# KiCad board Eclipse65.kicad_pcb (continued)
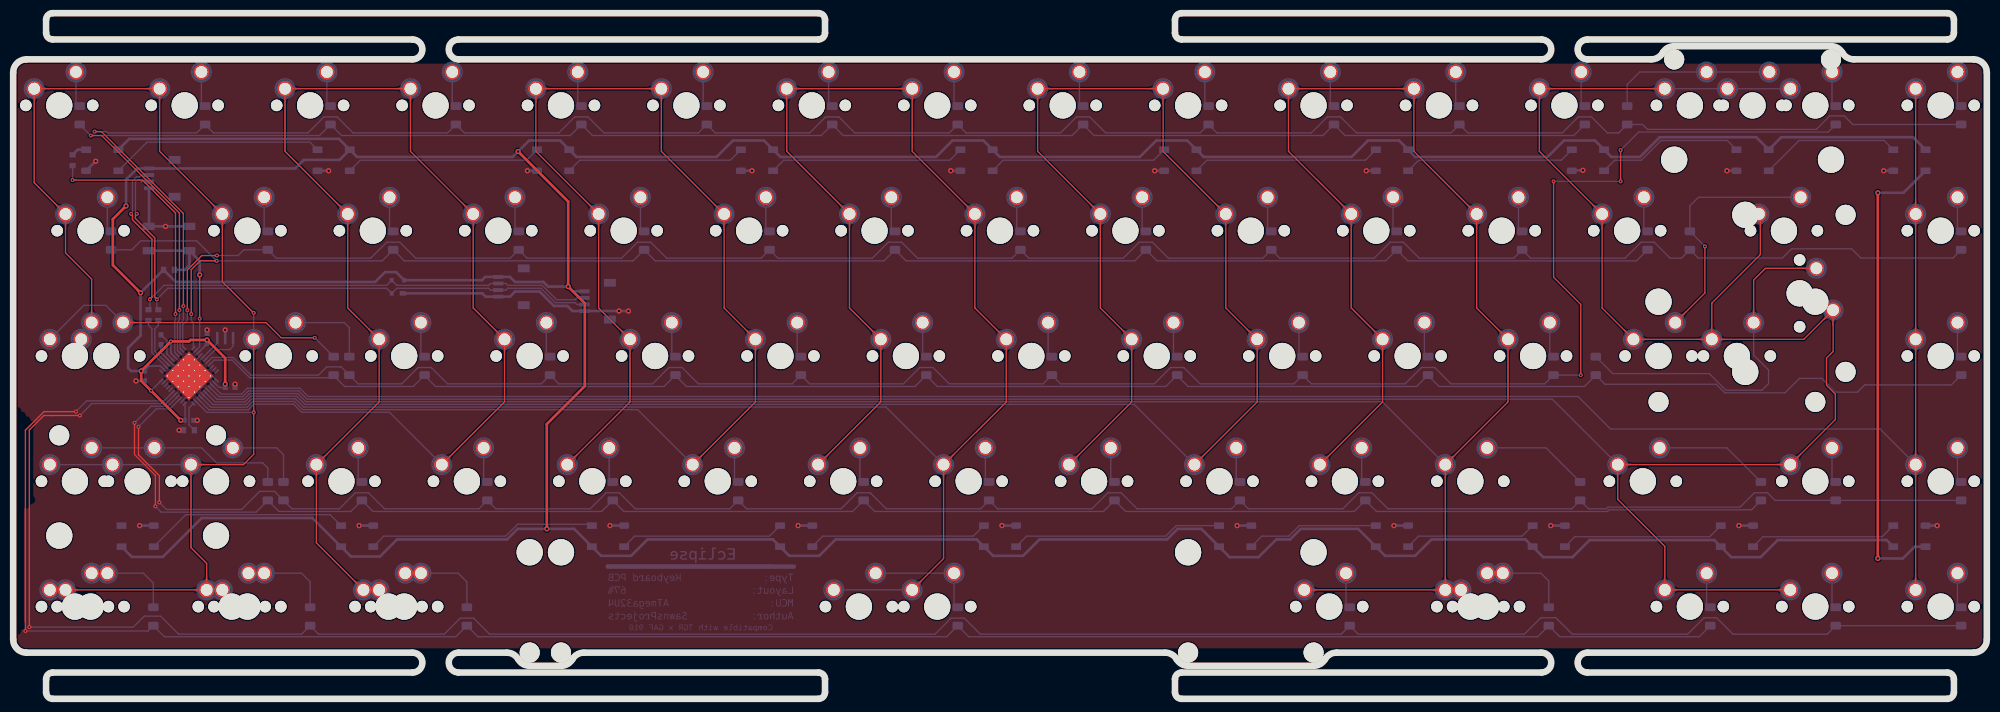
[diagram p0: board, top side]
## Copper pours and planes (outline as drawn; the poured copper is in the pictures) (continued)
C4 on Top: 181.02,37.38 180.95,37.3 180.88,37.24 180.81,37.19 180.74,37.14 180.68,37.09 180.61,37.05 180.55,37.02 180.49,36.99 180.43,36.97 180.37,36.95 180.31,36.93 180.25,36.92 180.19,36.91 180.13,36.9 179.56,36.87 179.49,36.86 179.41,36.85 179.34,36.84 179.26,36.82 179.18,36.8 179.1,36.78 179.01,36.75 178.98,35.19 180.54,35.22 180.56,35.31 180.59,35.39 180.61,35.47 180.62,35.55 180.64,35.63 180.65,35.7 180.66,35.77 180.69,36.34 180.7,36.4 180.71,36.46 180.72,36.52 180.74,36.58 180.76,36.64 180.78,36.7 180.81,36.76 180.84,36.82 180.88,36.89 180.92,36.95 180.97,37.02 181.03,37.09 181.09,37.16 181.16,37.23
C4 on Top: 169.98,52.27 169.98,52.38 169.98,52.47 169.99,52.56 170.01,52.64 170.02,52.72 170.04,52.79 170.06,52.86 170.09,52.92 170.11,52.98 170.14,53.04 170.17,53.09 170.2,53.14 170.24,53.19 170.28,53.24 170.65,53.67 170.7,53.72 170.74,53.78 170.79,53.85 170.83,53.91 170.87,53.98 170.92,54.06 170.96,54.14 169.88,55.26 168.8,54.14 168.84,54.06 168.88,53.98 168.92,53.91 168.97,53.85 169.01,53.78 169.06,53.72 169.1,53.67 169.48,53.24 169.52,53.19 169.55,53.14 169.58,53.09 169.61,53.04 169.64,52.98 169.67,52.92 169.69,52.86 169.71,52.79 169.73,52.72 169.75,52.64 169.76,52.56 169.77,52.47 169.78,52.38 169.78,52.27
C4 on Top: 161.97,37.38 161.9,37.3 161.83,37.24 161.76,37.19 161.69,37.14 161.63,37.09 161.56,37.05 161.5,37.02 161.44,36.99 161.38,36.97 161.32,36.95 161.26,36.93 161.2,36.92 161.14,36.91 161.08,36.9 160.51,36.87 160.44,36.86 160.36,36.85 160.29,36.84 160.21,36.82 160.13,36.8 160.05,36.78 159.96,36.75 159.93,35.19 161.49,35.22 161.51,35.31 161.54,35.39 161.56,35.47 161.57,35.55 161.59,35.63 161.6,35.7 161.61,35.77 161.64,36.34 161.65,36.4 161.66,36.46 161.67,36.52 161.69,36.58 161.71,36.64 161.73,36.7 161.76,36.76 161.79,36.82 161.83,36.89 161.87,36.95 161.92,37.02 161.98,37.09 162.04,37.16 162.11,37.23
C4 on Top: 155.69,90.37 155.69,90.48 155.7,90.57 155.71,90.66 155.72,90.74 155.73,90.82 155.75,90.89 155.77,90.96 155.8,91.02 155.82,91.08 155.85,91.14 155.88,91.19 155.92,91.24 155.95,91.29 155.99,91.34 156.37,91.77 156.41,91.82 156.46,91.88 156.5,91.95 156.54,92.01 156.59,92.08 156.63,92.16 156.67,92.24 155.59,93.36 154.51,92.24 154.55,92.16 154.59,92.08 154.64,92.01 154.68,91.95 154.72,91.88 154.77,91.82 154.81,91.77 155.19,91.34 155.23,91.29 155.26,91.24 155.3,91.19 155.33,91.14 155.36,91.08 155.38,91.02 155.41,90.96 155.43,90.89 155.45,90.82 155.46,90.74 155.47,90.66 155.48,90.57 155.49,90.48 155.49,90.37
C4 on Top: 163.35,75.33 163.43,75.26 163.49,75.19 163.54,75.12 163.59,75.05 163.64,74.99 163.68,74.92 163.71,74.86 163.74,74.8 163.76,74.74 163.78,74.68 163.8,74.62 163.81,74.56 163.82,74.5 163.83,74.44 163.86,73.87 163.87,73.8 163.88,73.73 163.89,73.65 163.91,73.57 163.93,73.49 163.95,73.41 163.98,73.32 165.54,73.29 165.51,74.85 165.42,74.88 165.34,74.9 165.26,74.92 165.18,74.94 165.1,74.95 165.03,74.96 164.96,74.97 164.39,75 164.33,75.01 164.27,75.02 164.21,75.03 164.15,75.05 164.09,75.07 164.03,75.09 163.97,75.12 163.91,75.15 163.84,75.19 163.78,75.24 163.71,75.29 163.64,75.34 163.57,75.4 163.5,75.48
C4 on Top: 174.74,90.37 174.74,90.48 174.75,90.57 174.76,90.66 174.77,90.74 174.78,90.82 174.8,90.89 174.82,90.96 174.85,91.02 174.87,91.08 174.9,91.14 174.93,91.19 174.97,91.24 175,91.29 175.04,91.34 175.42,91.77 175.46,91.82 175.51,91.88 175.55,91.95 175.59,92.01 175.64,92.08 175.68,92.16 175.72,92.24 174.64,93.36 173.56,92.24 173.6,92.16 173.64,92.08 173.69,92.01 173.73,91.95 173.77,91.88 173.82,91.82 173.86,91.77 174.24,91.34 174.28,91.29 174.31,91.24 174.35,91.19 174.38,91.14 174.41,91.08 174.43,91.02 174.46,90.96 174.48,90.89 174.5,90.82 174.51,90.74 174.52,90.66 174.53,90.57 174.54,90.48 174.54,90.37
C4 on Top: 182.4,75.33 182.48,75.26 182.54,75.19 182.59,75.12 182.64,75.05 182.69,74.99 182.73,74.92 182.76,74.86 182.79,74.8 182.81,74.74 182.83,74.68 182.85,74.62 182.86,74.56 182.87,74.5 182.88,74.44 182.91,73.87 182.92,73.8 182.93,73.73 182.94,73.65 182.96,73.57 182.98,73.49 183,73.41 183.03,73.32 184.59,73.29 184.56,74.85 184.47,74.88 184.39,74.9 184.31,74.92 184.23,74.94 184.15,74.95 184.08,74.96 184.01,74.97 183.44,75 183.38,75.01 183.32,75.02 183.26,75.03 183.2,75.05 183.14,75.07 183.08,75.09 183.02,75.12 182.96,75.15 182.89,75.19 182.83,75.24 182.76,75.29 182.69,75.34 182.62,75.4 182.55,75.48
C4 on Top: 184.27,71.32 184.27,71.43 184.27,71.52 184.28,71.61 184.29,71.69 184.31,71.77 184.33,71.84 184.35,71.91 184.37,71.97 184.4,72.03 184.43,72.09 184.46,72.14 184.49,72.19 184.53,72.24 184.56,72.29 184.94,72.72 184.99,72.77 185.03,72.83 185.07,72.9 185.12,72.96 185.16,73.03 185.2,73.11 185.25,73.19 184.17,74.31 183.09,73.19 183.13,73.11 183.17,73.03 183.21,72.96 183.26,72.9 183.3,72.83 183.34,72.77 183.39,72.72 183.77,72.29 183.8,72.24 183.84,72.19 183.87,72.14 183.9,72.09 183.93,72.03 183.96,71.97 183.98,71.91 184,71.84 184.02,71.77 184.04,71.69 184.05,71.61 184.06,71.52 184.06,71.43 184.07,71.32
C4 on Top: 187.17,56.28 187.24,56.21 187.3,56.14 187.36,56.07 187.41,56 187.45,55.94 187.49,55.87 187.52,55.81 187.55,55.75 187.57,55.69 187.59,55.63 187.61,55.57 187.62,55.51 187.63,55.45 187.64,55.39 187.67,54.82 187.68,54.75 187.69,54.68 187.71,54.6 187.72,54.52 187.74,54.44 187.77,54.36 187.79,54.27 189.35,54.24 189.32,55.8 189.23,55.83 189.15,55.85 189.07,55.87 188.99,55.89 188.92,55.9 188.84,55.91 188.77,55.92 188.2,55.95 188.14,55.96 188.08,55.97 188.02,55.98 187.96,56 187.9,56.02 187.84,56.04 187.78,56.07 187.72,56.1 187.65,56.14 187.59,56.19 187.52,56.24 187.45,56.29 187.38,56.35 187.31,56.43
C4 on Top: 157.98,92.86 157.88,92.87 157.78,92.87 157.69,92.88 157.61,92.89 157.53,92.91 157.46,92.93 157.39,92.95 157.33,92.97 157.27,93 157.22,93.03 157.16,93.06 157.11,93.09 157.06,93.13 157.01,93.16 156.59,93.54 156.53,93.59 156.47,93.63 156.41,93.67 156.34,93.72 156.27,93.76 156.19,93.8 156.11,93.84 154.99,92.76 156.11,91.68 156.19,91.73 156.27,91.77 156.34,91.81 156.41,91.86 156.47,91.9 156.53,91.94 156.59,91.99 157.01,92.37 157.06,92.4 157.11,92.44 157.16,92.47 157.22,92.5 157.27,92.53 157.33,92.56 157.39,92.58 157.46,92.6 157.53,92.62 157.61,92.64 157.69,92.65 157.78,92.66 157.88,92.66 157.98,92.66
C4 on Top: 172.25,92.66 172.35,92.66 172.45,92.66 172.54,92.65 172.62,92.64 172.7,92.62 172.77,92.6 172.84,92.58 172.9,92.56 172.96,92.53 173.01,92.5 173.07,92.47 173.12,92.44 173.17,92.4 173.22,92.37 173.64,91.99 173.7,91.94 173.76,91.9 173.82,91.86 173.89,91.81 173.96,91.77 174.04,91.73 174.12,91.68 175.24,92.76 174.12,93.84 174.04,93.8 173.96,93.76 173.89,93.72 173.82,93.67 173.76,93.63 173.7,93.59 173.64,93.54 173.22,93.16 173.17,93.13 173.12,93.09 173.07,93.06 173.01,93.03 172.96,93 172.9,92.97 172.84,92.95 172.77,92.93 172.7,92.91 172.62,92.89 172.54,92.88 172.45,92.87 172.35,92.87 172.25,92.86
C4 on Bottom: 177.64,37.23 177.71,37.16 177.78,37.09 177.83,37.02 177.88,36.95 177.93,36.89 177.96,36.82 178,36.76 178.02,36.7 178.05,36.64 178.07,36.58 178.08,36.52 178.1,36.46 178.11,36.4 178.11,36.34 178.15,35.77 178.16,35.7 178.17,35.63 178.18,35.55 178.2,35.47 178.22,35.39 178.24,35.31 178.27,35.22 179.83,35.19 179.8,36.75 179.71,36.78 179.63,36.8 179.54,36.82 179.47,36.84 179.39,36.85 179.32,36.86 179.25,36.87 178.68,36.9 178.62,36.91 178.56,36.92 178.5,36.93 178.44,36.95 178.38,36.97 178.32,36.99 178.26,37.02 178.19,37.05 178.13,37.09 178.06,37.14 178,37.19 177.93,37.24 177.86,37.3 177.78,37.38
C4 on Bottom: 177.08,37.8 177.17,37.7 177.26,37.61 177.33,37.51 177.4,37.42 177.46,37.33 177.51,37.25 177.55,37.16 177.58,37.08 177.61,37 177.64,36.92 177.66,36.84 177.68,36.76 177.69,36.68 177.7,36.6 177.7,36.52 177.71,36.44 177.72,36.01 177.73,35.92 177.73,35.83 177.74,35.73 177.76,35.64 177.77,35.53 177.79,35.43 177.82,35.32 177.85,35.21 177.89,35.09 179.97,35.05 179.93,37.13 179.81,37.16 179.7,37.2 179.59,37.22 179.48,37.24 179.38,37.26 179.28,37.27 179.19,37.28 179.1,37.29 179,37.3 178.58,37.31 178.5,37.31 178.42,37.32 178.34,37.33 178.26,37.34 178.18,37.36 178.1,37.38 178.02,37.4 177.94,37.43 177.85,37.47 177.77,37.51 177.68,37.56 177.59,37.62 177.5,37.69 177.41,37.76 177.32,37.85 177.22,37.94
C5 on Top: 227.13,52.27 227.13,52.38 227.13,52.47 227.14,52.56 227.16,52.64 227.17,52.72 227.19,52.79 227.21,52.86 227.24,52.92 227.26,52.98 227.29,53.04 227.32,53.09 227.35,53.14 227.39,53.19 227.43,53.24 227.8,53.67 227.85,53.72 227.89,53.78 227.94,53.85 227.98,53.91 228.02,53.98 228.07,54.06 228.11,54.14 227.03,55.26 225.95,54.14 225.99,54.06 226.03,53.98 226.07,53.91 226.12,53.85 226.16,53.78 226.21,53.72 226.25,53.67 226.63,53.24 226.67,53.19 226.7,53.14 226.73,53.09 226.76,53.04 226.79,52.98 226.82,52.92 226.84,52.86 226.86,52.79 226.88,52.72 226.9,52.64 226.91,52.56 226.92,52.47 226.93,52.38 226.93,52.27
C5 on Top: 219.12,37.38 219.05,37.3 218.98,37.24 218.91,37.19 218.84,37.14 218.78,37.09 218.71,37.05 218.65,37.02 218.59,36.99 218.53,36.97 218.47,36.95 218.41,36.93 218.35,36.92 218.29,36.91 218.23,36.9 217.66,36.87 217.59,36.86 217.51,36.85 217.44,36.84 217.36,36.82 217.28,36.8 217.2,36.78 217.11,36.75 217.08,35.19 218.64,35.22 218.66,35.31 218.69,35.39 218.71,35.47 218.72,35.55 218.74,35.63 218.75,35.7 218.76,35.77 218.79,36.34 218.8,36.4 218.81,36.46 218.82,36.52 218.84,36.58 218.86,36.64 218.88,36.7 218.91,36.76 218.94,36.82 218.98,36.89 219.02,36.95 219.07,37.02 219.13,37.09 219.19,37.16 219.26,37.23
C5 on Top: 217.6,33.22 217.6,33.33 217.61,33.42 217.62,33.51 217.63,33.59 217.65,33.67 217.67,33.74 217.69,33.81 217.71,33.87 217.74,33.93 217.77,33.99 217.8,34.04 217.83,34.09 217.86,34.14 217.9,34.19 218.28,34.62 218.32,34.67 218.37,34.73 218.41,34.8 218.46,34.86 218.5,34.93 218.54,35.01 218.58,35.09 217.5,36.21 216.42,35.09 216.46,35.01 216.51,34.93 216.55,34.86 216.59,34.8 216.64,34.73 216.68,34.67 216.73,34.62 217.1,34.19 217.14,34.14 217.18,34.09 217.21,34.04 217.24,33.99 217.27,33.93 217.29,33.87 217.32,33.81 217.34,33.74 217.36,33.67 217.37,33.59 217.39,33.51 217.4,33.42 217.4,33.33 217.4,33.22
C5 on Top: 217.4,18.95 217.4,18.85 217.4,18.76 217.39,18.67 217.37,18.59 217.36,18.51 217.34,18.44 217.32,18.37 217.29,18.31 217.27,18.25 217.24,18.19 217.21,18.14 217.18,18.09 217.14,18.04 217.1,17.99 216.73,17.56 216.68,17.51 216.64,17.45 216.59,17.38 216.55,17.32 216.51,17.25 216.46,17.17 216.42,17.09 217.5,15.96 218.58,17.09 218.54,17.17 218.5,17.25 218.46,17.32 218.41,17.38 218.37,17.45 218.32,17.51 218.28,17.56 217.9,17.99 217.86,18.04 217.83,18.09 217.8,18.14 217.77,18.19 217.74,18.25 217.71,18.31 217.69,18.37 217.67,18.44 217.65,18.51 217.63,18.59 217.62,18.67 217.61,18.76 217.6,18.85 217.6,18.95
C5 on Top: 198.46,16.66 198.36,16.67 198.26,16.67 198.18,16.68 198.09,16.69 198.02,16.71 197.94,16.73 197.88,16.75 197.81,16.77 197.75,16.8 197.7,16.83 197.64,16.86 197.59,16.89 197.54,16.93 197.5,16.96 197.07,17.34 197.01,17.39 196.95,17.43 196.89,17.47 196.82,17.52 196.75,17.56 196.68,17.6 196.59,17.64 195.47,16.56 196.59,15.48 196.68,15.53 196.75,15.57 196.82,15.61 196.89,15.66 196.95,15.7 197.01,15.74 197.07,15.79 197.5,16.17 197.54,16.2 197.59,16.24 197.64,16.27 197.7,16.3 197.75,16.33 197.81,16.36 197.88,16.38 197.94,16.4 198.02,16.42 198.09,16.44 198.18,16.45 198.26,16.46 198.36,16.46 198.46,16.46
C5 on Top: 215.11,16.46 215.21,16.46 215.31,16.46 215.4,16.45 215.48,16.44 215.56,16.42 215.63,16.4 215.7,16.38 215.76,16.36 215.82,16.33 215.88,16.3 215.93,16.27 215.98,16.24 216.03,16.2 216.08,16.17 216.51,15.79 216.56,15.74 216.62,15.7 216.68,15.66 216.75,15.61 216.82,15.57 216.9,15.53 216.98,15.48 218.1,16.56 216.98,17.64 216.9,17.6 216.82,17.56 216.75,17.52 216.68,17.47 216.62,17.43 216.56,17.39 216.51,17.34 216.08,16.96 216.03,16.93 215.98,16.89 215.93,16.86 215.88,16.83 215.82,16.8 215.76,16.77 215.7,16.75 215.63,16.73 215.56,16.71 215.48,16.69 215.4,16.68 215.31,16.67 215.21,16.67 215.11,16.66
C5 on Top: 193.79,90.37 193.79,90.48 193.8,90.57 193.81,90.66 193.82,90.74 193.83,90.82 193.85,90.89 193.87,90.96 193.9,91.02 193.92,91.08 193.95,91.14 193.98,91.19 194.02,91.24 194.05,91.29 194.09,91.34 194.47,91.77 194.51,91.82 194.56,91.88 194.6,91.95 194.64,92.01 194.69,92.08 194.73,92.16 194.77,92.24 193.69,93.36 192.61,92.24 192.65,92.16 192.69,92.08 192.74,92.01 192.78,91.95 192.82,91.88 192.87,91.82 192.91,91.77 193.29,91.34 193.33,91.29 193.36,91.24 193.4,91.19 193.43,91.14 193.46,91.08 193.48,91.02 193.51,90.96 193.53,90.89 193.55,90.82 193.56,90.74 193.57,90.66 193.58,90.57 193.59,90.48 193.59,90.37
C5 on Top: 201.45,75.33 201.53,75.26 201.59,75.19 201.64,75.12 201.69,75.05 201.74,74.99 201.78,74.92 201.81,74.86 201.84,74.8 201.86,74.74 201.88,74.68 201.9,74.62 201.91,74.56 201.92,74.5 201.93,74.44 201.96,73.87 201.97,73.8 201.98,73.73 201.99,73.65 202.01,73.57 202.03,73.49 202.05,73.41 202.08,73.32 203.64,73.29 203.61,74.85 203.52,74.88 203.44,74.9 203.36,74.92 203.28,74.94 203.2,74.95 203.13,74.96 203.06,74.97 202.49,75 202.43,75.01 202.37,75.02 202.31,75.03 202.25,75.05 202.19,75.07 202.13,75.09 202.07,75.12 202.01,75.15 201.94,75.19 201.88,75.24 201.81,75.29 201.74,75.34 201.67,75.4 201.6,75.48
C5 on Top: 203.32,71.32 203.32,71.43 203.32,71.52 203.33,71.61 203.34,71.69 203.36,71.77 203.38,71.84 203.4,71.91 203.42,71.97 203.45,72.03 203.48,72.09 203.51,72.14 203.54,72.19 203.58,72.24 203.61,72.29 203.99,72.72 204.04,72.77 204.08,72.83 204.12,72.9 204.17,72.96 204.21,73.03 204.25,73.11 204.3,73.19 203.22,74.31 202.14,73.19 202.18,73.11 202.22,73.03 202.26,72.96 202.31,72.9 202.35,72.83 202.39,72.77 202.44,72.72 202.82,72.29 202.85,72.24 202.89,72.19 202.92,72.14 202.95,72.09 202.98,72.03 203.01,71.97 203.03,71.91 203.05,71.84 203.07,71.77 203.09,71.69 203.1,71.61 203.11,71.52 203.11,71.43 203.12,71.32
C5 on Top: 206.22,56.28 206.29,56.21 206.35,56.14 206.41,56.07 206.46,56 206.5,55.94 206.54,55.87 206.57,55.81 206.6,55.75 206.62,55.69 206.64,55.63 206.66,55.57 206.67,55.51 206.68,55.45 206.69,55.39 206.72,54.82 206.73,54.75 206.74,54.68 206.76,54.6 206.77,54.52 206.79,54.44 206.82,54.36 206.84,54.27 208.4,54.24 208.37,55.8 208.28,55.83 208.2,55.85 208.12,55.87 208.04,55.89 207.97,55.9 207.89,55.91 207.82,55.92 207.25,55.95 207.19,55.96 207.13,55.97 207.07,55.98 207.01,56 206.95,56.02 206.89,56.04 206.83,56.07 206.77,56.1 206.7,56.14 206.64,56.19 206.57,56.24 206.5,56.29 206.43,56.35 206.36,56.43
C5 on Top: 208.08,52.27 208.08,52.38 208.08,52.47 208.09,52.56 208.11,52.64 208.12,52.72 208.14,52.79 208.16,52.86 208.19,52.92 208.21,52.98 208.24,53.04 208.27,53.09 208.3,53.14 208.34,53.19 208.38,53.24 208.75,53.67 208.8,53.72 208.84,53.78 208.89,53.85 208.93,53.91 208.97,53.98 209.02,54.06 209.06,54.14 207.98,55.26 206.9,54.14 206.94,54.06 206.98,53.98 207.02,53.91 207.07,53.85 207.11,53.78 207.16,53.72 207.2,53.67 207.58,53.24 207.62,53.19 207.65,53.14 207.68,53.09 207.71,53.04 207.74,52.98 207.77,52.92 207.79,52.86 207.81,52.79 207.83,52.72 207.85,52.64 207.86,52.56 207.87,52.47 207.88,52.38 207.88,52.27
C5 on Top: 200.07,37.38 200,37.3 199.93,37.24 199.86,37.19 199.79,37.14 199.73,37.09 199.66,37.05 199.6,37.02 199.54,36.99 199.48,36.97 199.42,36.95 199.36,36.93 199.3,36.92 199.24,36.91 199.18,36.9 198.61,36.87 198.54,36.86 198.46,36.85 198.39,36.84 198.31,36.82 198.23,36.8 198.15,36.78 198.06,36.75 198.03,35.19 199.59,35.22 199.61,35.31 199.64,35.39 199.66,35.47 199.67,35.55 199.69,35.63 199.7,35.7 199.71,35.77 199.74,36.34 199.75,36.4 199.76,36.46 199.77,36.52 199.79,36.58 199.81,36.64 199.83,36.7 199.86,36.76 199.89,36.82 199.93,36.89 199.97,36.95 200.02,37.02 200.08,37.09 200.14,37.16 200.21,37.23
C5 on Top: 212.84,90.37 212.84,90.48 212.85,90.57 212.86,90.66 212.87,90.74 212.88,90.82 212.9,90.89 212.92,90.96 212.95,91.02 212.97,91.08 213,91.14 213.03,91.19 213.07,91.24 213.1,91.29 213.14,91.34 213.52,91.77 213.56,91.82 213.61,91.88 213.65,91.95 213.69,92.01 213.74,92.08 213.78,92.16 213.82,92.24 212.74,93.36 211.66,92.24 211.7,92.16 211.74,92.08 211.79,92.01 211.83,91.95 211.87,91.88 211.92,91.82 211.96,91.77 212.34,91.34 212.38,91.29 212.41,91.24 212.45,91.19 212.48,91.14 212.51,91.08 212.53,91.02 212.56,90.96 212.58,90.89 212.6,90.82 212.61,90.74 212.62,90.66 212.63,90.57 212.64,90.48 212.64,90.37
C5 on Top: 220.5,75.33 220.58,75.26 220.64,75.19 220.69,75.12 220.74,75.05 220.79,74.99 220.83,74.92 220.86,74.86 220.89,74.8 220.91,74.74 220.93,74.68 220.95,74.62 220.96,74.56 220.97,74.5 220.98,74.44 221.01,73.87 221.02,73.8 221.03,73.73 221.04,73.65 221.06,73.57 221.08,73.49 221.1,73.41 221.13,73.32 222.69,73.29 222.66,74.85 222.57,74.88 222.49,74.9 222.41,74.92 222.33,74.94 222.25,74.95 222.18,74.96 222.11,74.97 221.54,75 221.48,75.01 221.42,75.02 221.36,75.03 221.3,75.05 221.24,75.07 221.18,75.09 221.12,75.12 221.06,75.15 220.99,75.19 220.93,75.24 220.86,75.29 220.79,75.34 220.72,75.4 220.65,75.48
C5 on Top: 222.37,71.32 222.37,71.43 222.37,71.52 222.38,71.61 222.39,71.69 222.41,71.77 222.43,71.84 222.45,71.91 222.47,71.97 222.5,72.03 222.53,72.09 222.56,72.14 222.59,72.19 222.63,72.24 222.66,72.29 223.04,72.72 223.09,72.77 223.13,72.83 223.17,72.9 223.22,72.96 223.26,73.03 223.3,73.11 223.35,73.19 222.27,74.31 221.19,73.19 221.23,73.11 221.27,73.03 221.31,72.96 221.36,72.9 221.4,72.83 221.44,72.77 221.49,72.72 221.87,72.29 221.9,72.24 221.94,72.19 221.97,72.14 222,72.09 222.03,72.03 222.06,71.97 222.08,71.91 222.1,71.84 222.12,71.77 222.14,71.69 222.15,71.61 222.16,71.52 222.16,71.43 222.17,71.32
C5 on Top: 225.27,56.28 225.34,56.21 225.4,56.14 225.46,56.07 225.51,56 225.55,55.94 225.59,55.87 225.62,55.81 225.65,55.75 225.67,55.69 225.69,55.63 225.71,55.57 225.72,55.51 225.73,55.45 225.74,55.39 225.77,54.82 225.78,54.75 225.79,54.68 225.81,54.6 225.82,54.52 225.84,54.44 225.87,54.36 225.89,54.27 227.45,54.24 227.42,55.8 227.33,55.83 227.25,55.85 227.17,55.87 227.09,55.89 227.02,55.9 226.94,55.91 226.87,55.92 226.3,55.95 226.24,55.96 226.18,55.97 226.12,55.98 226.06,56 226,56.02 225.94,56.04 225.88,56.07 225.82,56.1 225.75,56.14 225.69,56.19 225.62,56.24 225.55,56.29 225.48,56.35 225.41,56.43
C5 on Top: 196.08,92.86 195.98,92.87 195.88,92.87 195.79,92.88 195.71,92.89 195.63,92.91 195.56,92.93 195.49,92.95 195.43,92.97 195.37,93 195.32,93.03 195.26,93.06 195.21,93.09 195.16,93.13 195.11,93.16 194.69,93.54 194.63,93.59 194.57,93.63 194.51,93.67 194.44,93.72 194.37,93.76 194.29,93.8 194.21,93.84 193.09,92.76 194.21,91.68 194.29,91.73 194.37,91.77 194.44,91.81 194.51,91.86 194.57,91.9 194.63,91.94 194.69,91.99 195.11,92.37 195.16,92.4 195.21,92.44 195.26,92.47 195.32,92.5 195.37,92.53 195.43,92.56 195.49,92.58 195.56,92.6 195.63,92.62 195.71,92.64 195.79,92.65 195.88,92.66 195.98,92.66 196.08,92.66
C5 on Top: 210.35,92.66 210.45,92.66 210.55,92.66 210.64,92.65 210.72,92.64 210.8,92.62 210.87,92.6 210.94,92.58 211,92.56 211.06,92.53 211.11,92.5 211.17,92.47 211.22,92.44 211.27,92.4 211.32,92.37 211.74,91.99 211.8,91.94 211.86,91.9 211.92,91.86 211.99,91.81 212.06,91.77 212.14,91.73 212.22,91.68 213.34,92.76 212.22,93.84 212.14,93.8 212.06,93.76 211.99,93.72 211.92,93.67 211.86,93.63 211.8,93.59 211.74,93.54 211.32,93.16 211.27,93.13 211.22,93.09 211.17,93.06 211.11,93.03 211.06,93 211,92.97 210.94,92.95 210.87,92.93 210.8,92.91 210.72,92.89 210.64,92.88 210.55,92.87 210.45,92.87 210.35,92.86
C5 on Bottom: 215.74,37.23 215.81,37.16 215.88,37.09 215.93,37.02 215.98,36.95 216.03,36.89 216.06,36.82 216.1,36.76 216.12,36.7 216.15,36.64 216.17,36.58 216.18,36.52 216.2,36.46 216.21,36.4 216.21,36.34 216.25,35.77 216.26,35.7 216.27,35.63 216.28,35.55 216.3,35.47 216.32,35.39 216.34,35.31 216.37,35.22 217.93,35.19 217.9,36.75 217.81,36.78 217.73,36.8 217.64,36.82 217.57,36.84 217.49,36.85 217.42,36.86 217.35,36.87 216.78,36.9 216.72,36.91 216.66,36.92 216.6,36.93 216.54,36.95 216.48,36.97 216.42,36.99 216.36,37.02 216.29,37.05 216.23,37.09 216.16,37.14 216.1,37.19 216.03,37.24 215.96,37.3 215.88,37.38
C5 on Bottom: 215.18,37.8 215.27,37.7 215.36,37.61 215.43,37.51 215.5,37.42 215.56,37.33 215.61,37.25 215.65,37.16 215.68,37.08 215.71,37 215.74,36.92 215.76,36.84 215.78,36.76 215.79,36.68 215.8,36.6 215.8,36.52 215.81,36.44 215.82,36.01 215.83,35.92 215.83,35.83 215.84,35.73 215.86,35.64 215.87,35.53 215.89,35.43 215.92,35.32 215.95,35.21 215.99,35.09 218.07,35.05 218.03,37.13 217.91,37.16 217.8,37.2 217.69,37.22 217.58,37.24 217.48,37.26 217.38,37.27 217.29,37.28 217.2,37.29 217.1,37.3 216.68,37.31 216.6,37.31 216.52,37.32 216.44,37.33 216.36,37.34 216.28,37.36 216.2,37.38 216.12,37.4 216.04,37.43 215.95,37.47 215.87,37.51 215.78,37.56 215.69,37.62 215.6,37.69 215.51,37.76 215.42,37.85 215.32,37.94
C6 on Top: 267.5,35.51 267.6,35.51 267.7,35.51 267.79,35.5 267.87,35.49 267.95,35.47 268.02,35.45 268.09,35.43 268.15,35.41 268.21,35.38 268.26,35.35 268.32,35.32 268.37,35.29 268.42,35.25 268.47,35.22 268.89,34.84 268.95,34.79 269.01,34.75 269.07,34.71 269.14,34.66 269.21,34.62 269.29,34.58 269.37,34.53 270.49,35.61 269.37,36.69 269.29,36.65 269.21,36.61 269.14,36.57 269.07,36.52 269.01,36.48 268.95,36.44 268.89,36.39 268.47,36.01 268.42,35.98 268.37,35.94 268.32,35.91 268.26,35.88 268.21,35.85 268.15,35.82 268.09,35.8 268.02,35.78 267.95,35.76 267.87,35.74 267.79,35.73 267.7,35.72 267.6,35.72 267.5,35.71
C6 on Top: 246.09,35.71 245.98,35.72 245.89,35.72 245.8,35.73 245.72,35.74 245.64,35.76 245.57,35.78 245.5,35.8 245.44,35.82 245.38,35.85 245.32,35.88 245.27,35.91 245.22,35.94 245.17,35.98 245.12,36.01 244.69,36.39 244.64,36.44 244.58,36.48 244.52,36.52 244.45,36.57 244.38,36.61 244.3,36.65 244.22,36.69 243.1,35.61 244.22,34.53 244.3,34.58 244.38,34.62 244.45,34.66 244.52,34.71 244.58,34.75 244.64,34.79 244.69,34.84 245.12,35.22 245.17,35.25 245.22,35.29 245.27,35.32 245.32,35.35 245.38,35.38 245.44,35.41 245.5,35.43 245.57,35.45 245.64,35.47 245.72,35.49 245.8,35.5 245.89,35.51 245.98,35.51 246.09,35.51
C6 on Top: 250.74,18.95 250.74,18.85 250.73,18.76 250.72,18.67 250.71,18.59 250.7,18.51 250.68,18.44 250.66,18.37 250.63,18.31 250.61,18.25 250.58,18.19 250.55,18.14 250.51,18.09 250.48,18.04 250.44,17.99 250.06,17.56 250.02,17.51 249.97,17.45 249.93,17.38 249.89,17.32 249.84,17.25 249.8,17.17 249.76,17.09 250.84,15.96 251.92,17.09 251.88,17.17 251.84,17.25 251.79,17.32 251.75,17.38 251.71,17.45 251.66,17.51 251.62,17.56 251.24,17.99 251.2,18.04 251.17,18.09 251.13,18.14 251.1,18.19 251.07,18.25 251.05,18.31 251.02,18.37 251,18.44 250.98,18.51 250.97,18.59 250.96,18.67 250.95,18.76 250.94,18.85 250.94,18.95
C6 on Top: 243.8,33.22 243.8,33.33 243.8,33.42 243.81,33.51 243.82,33.59 243.84,33.67 243.86,33.74 243.88,33.81 243.9,33.87 243.93,33.93 243.96,33.99 243.99,34.04 244.02,34.09 244.06,34.14 244.09,34.19 244.47,34.62 244.52,34.67 244.56,34.73 244.61,34.8 244.65,34.86 244.69,34.93 244.73,35.01 244.78,35.09 243.7,36.21 242.62,35.09 242.66,35.01 242.7,34.93 242.74,34.86 242.79,34.8 242.83,34.73 242.88,34.67 242.92,34.62 243.3,34.19 243.33,34.14 243.37,34.09 243.4,34.04 243.43,33.99 243.46,33.93 243.49,33.87 243.51,33.81 243.53,33.74 243.55,33.67 243.57,33.59 243.58,33.51 243.59,33.42 243.59,33.33 243.6,33.22
C6 on Top: 253.23,16.66 253.13,16.67 253.03,16.67 252.94,16.68 252.86,16.69 252.78,16.71 252.71,16.73 252.64,16.75 252.58,16.77 252.52,16.8 252.47,16.83 252.41,16.86 252.36,16.89 252.31,16.93 252.26,16.96 251.84,17.34 251.78,17.39 251.72,17.43 251.66,17.47 251.59,17.52 251.52,17.56 251.44,17.6 251.36,17.64 250.24,16.56 251.36,15.48 251.44,15.53 251.52,15.57 251.59,15.61 251.66,15.66 251.72,15.7 251.78,15.74 251.84,15.79 252.26,16.17 252.31,16.2 252.36,16.24 252.41,16.27 252.47,16.3 252.52,16.33 252.58,16.36 252.64,16.38 252.71,16.4 252.78,16.42 252.86,16.44 252.94,16.45 253.03,16.46 253.13,16.46 253.23,16.46